# KiCad board KlokTHREEjr.kicad_pcb
title: KlokTHREEjr; date: 2018-01-08; rev: rev 1; company: www.wyolum.com; note: https://github.com/wyolum/KlokTHREEjr
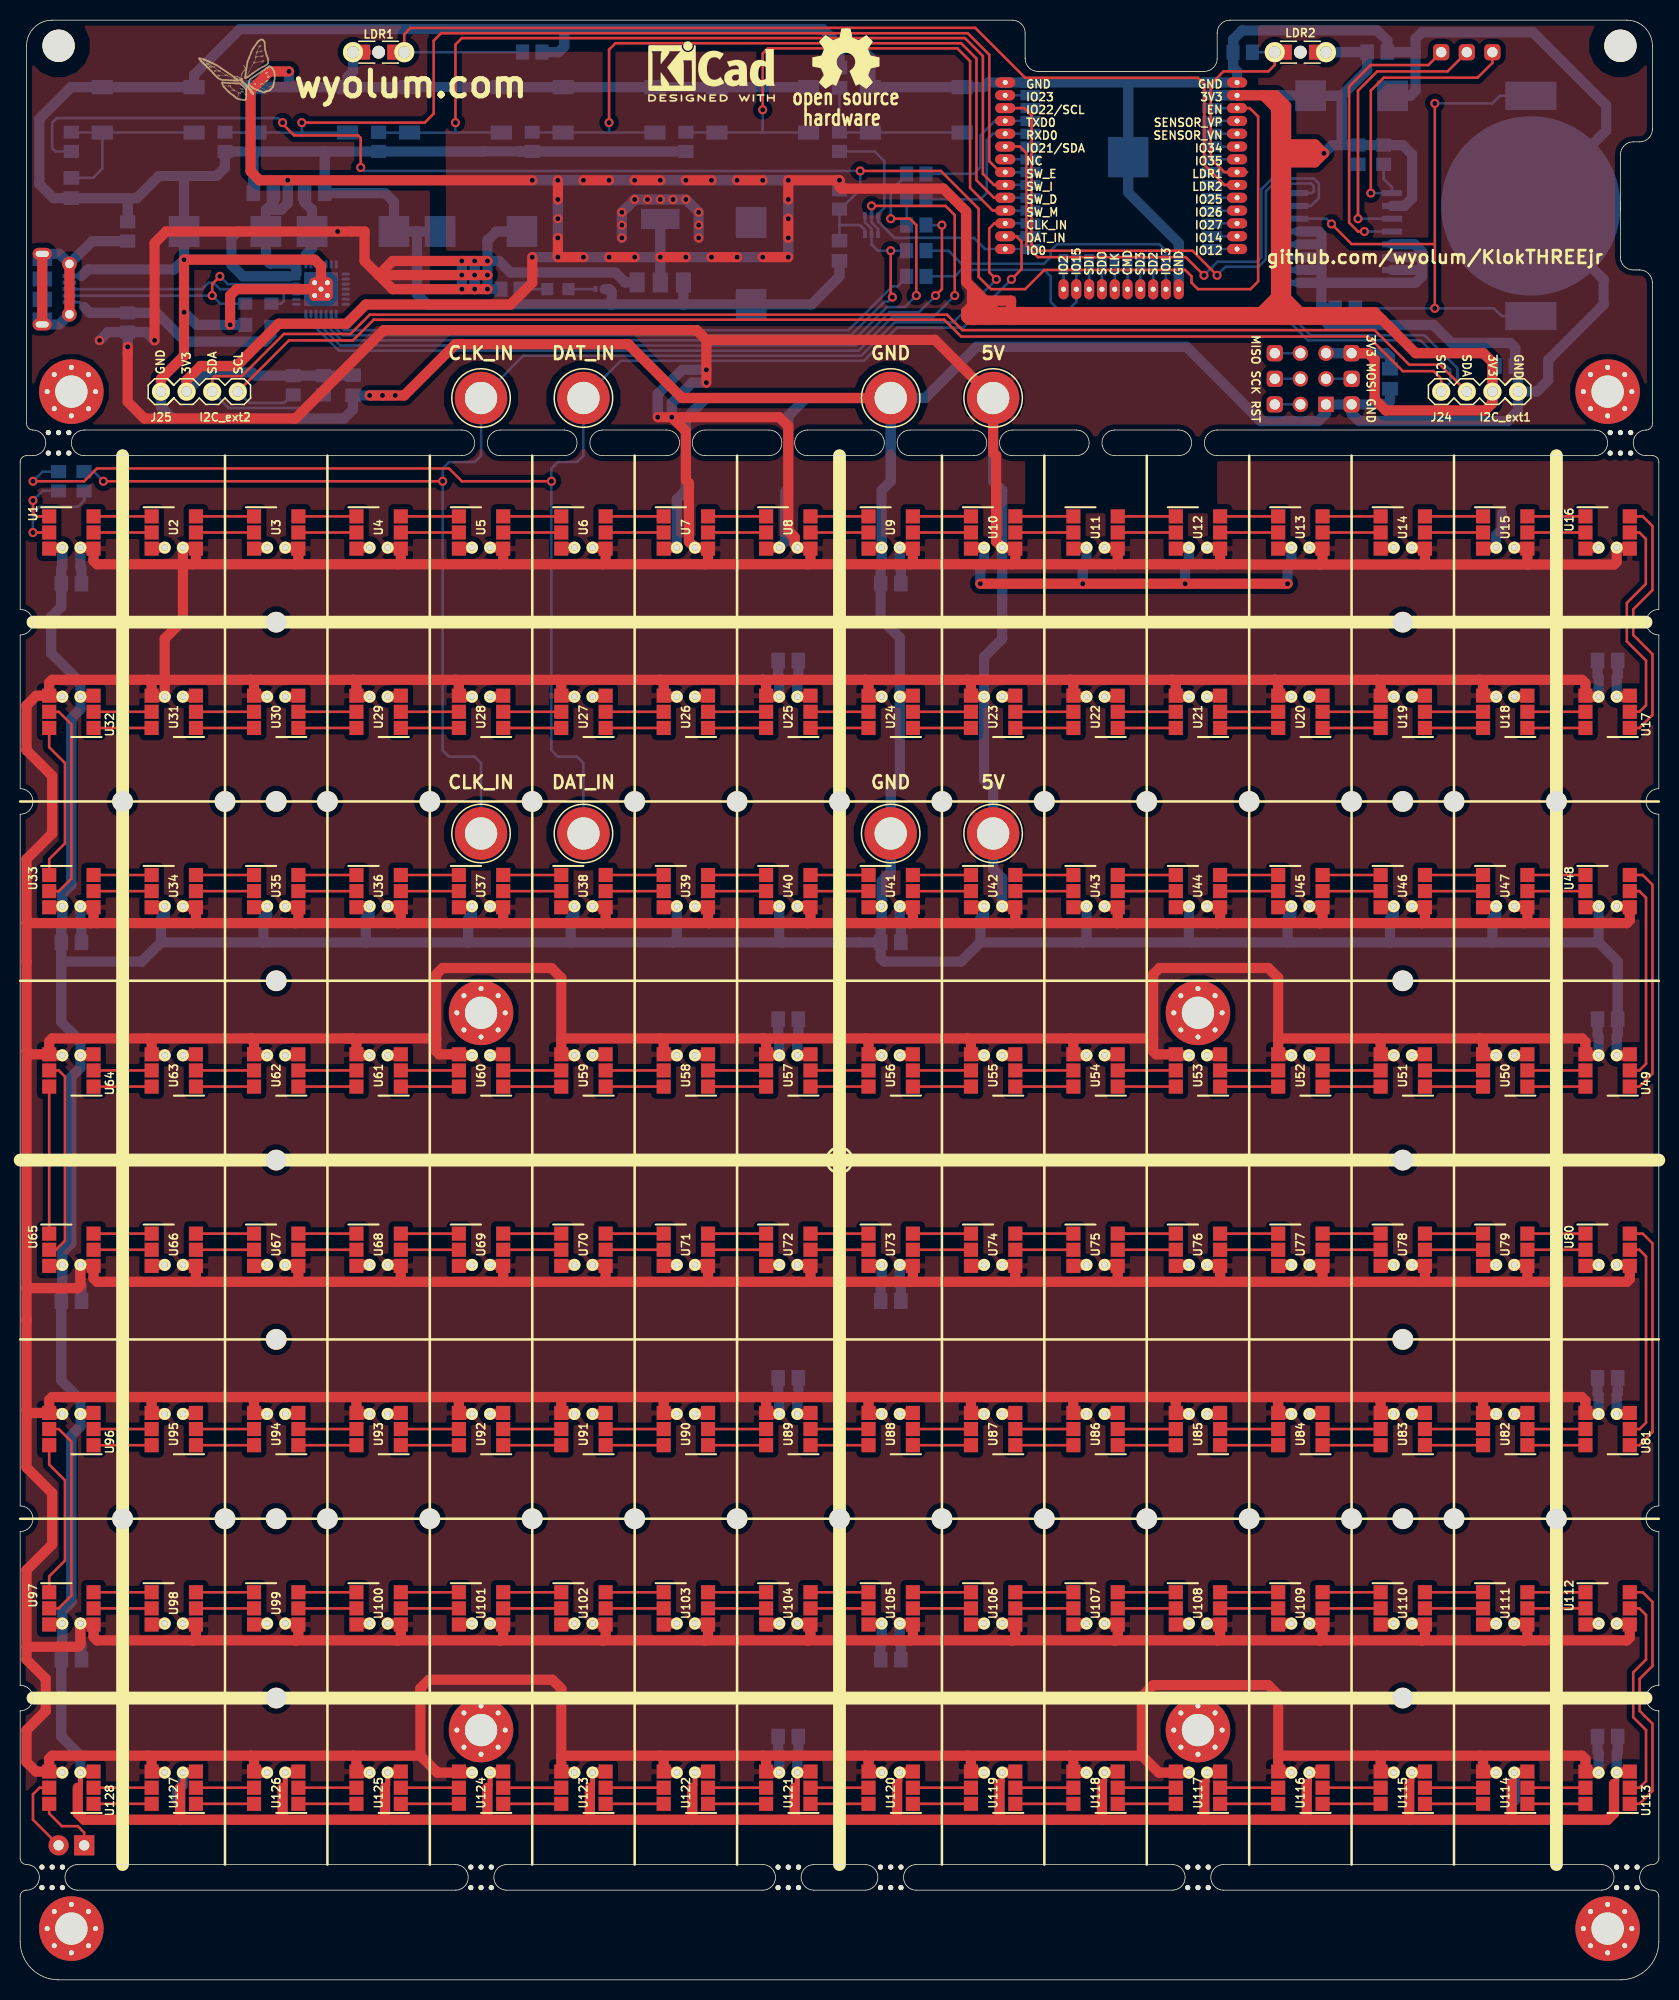
[diagram p0: board, top side]
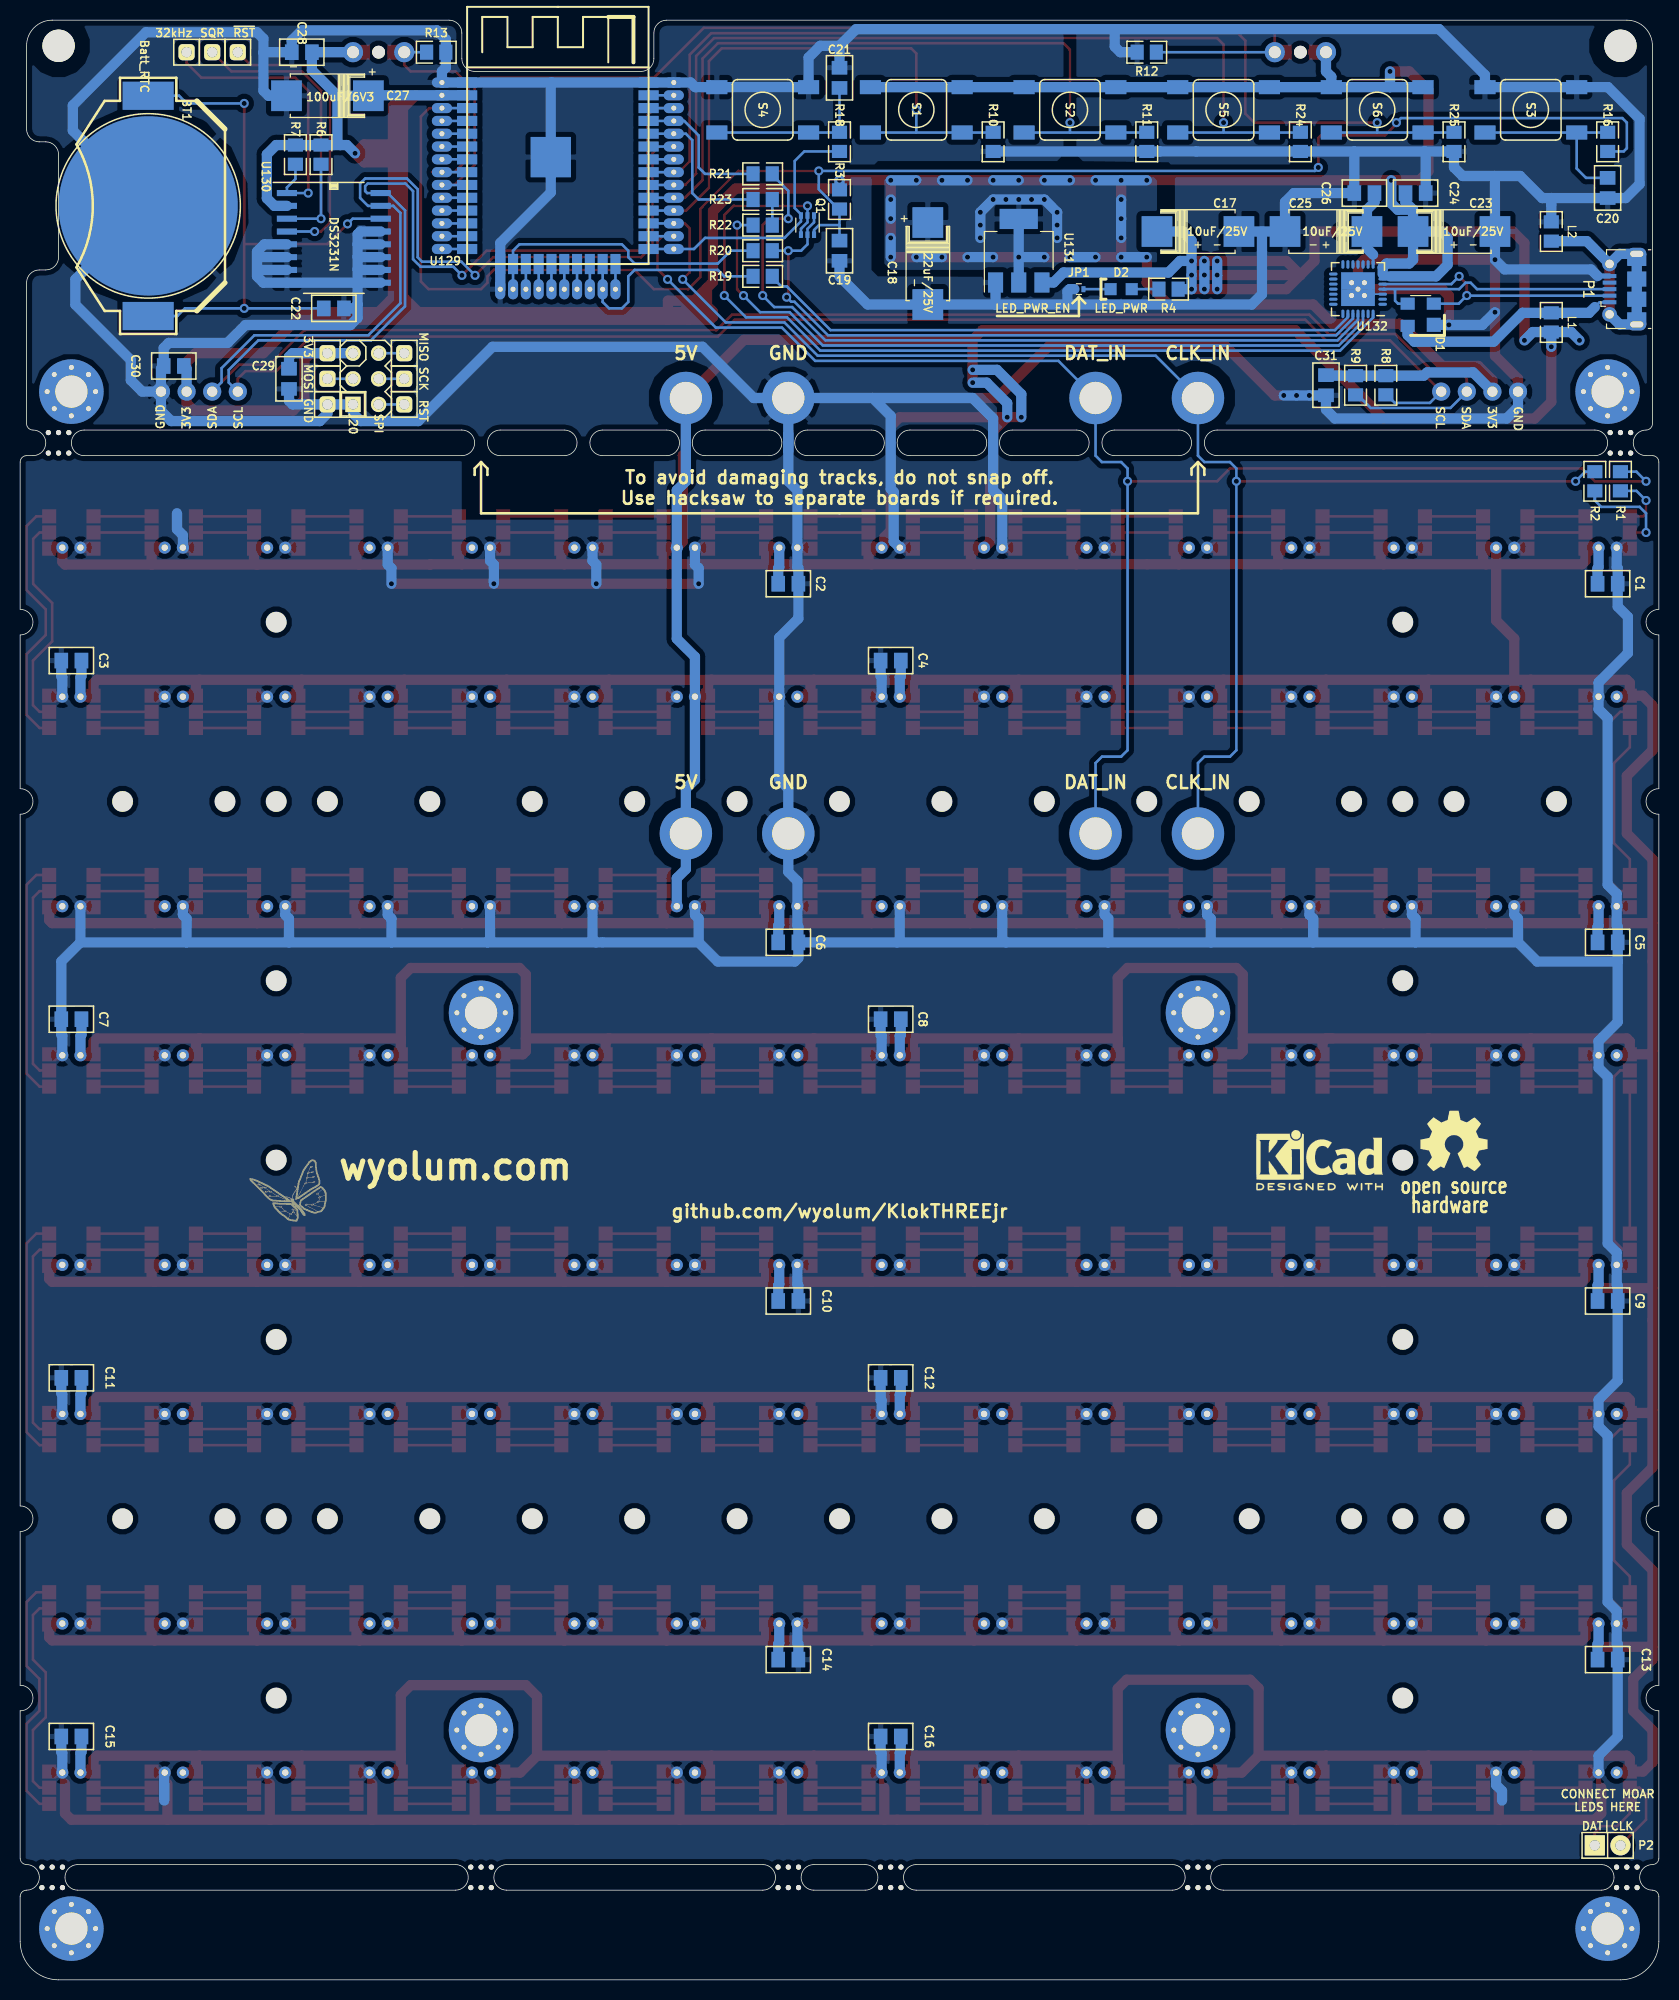
[diagram p1: board, bottom side, seen from below]

Outline 162.56 x 194.31 mm; copper layers: Top, Bottom. Coordinates in mm from the lower left corner of the outline.
Outline path: 0,150.5 arc(0.19,150.94) 0.63,151.13 1.27,151.13 arc(2.54,152.4) 1.27,153.67 arc(0.82,153.86) 0.63,154.31 0.63,191.77 arc(1.38,193.57) 3.18,194.31 98.43,194.31 arc(99.32,193.94) 99.7,193.04 99.7,190.5 arc(100.07,189.6) 100.97,189.23 117.47,189.23 arc(118.37,189.6) 118.75,190.5 118.75,193.04 arc(119.12,193.94) 120.02,194.31 159.39,194.31 arc(161.18,193.57) 161.93,191.77 161.93,183.52 arc(161.55,182.62) 160.66,182.25 160.02,182.25 arc(159.12,181.87) 158.75,180.98 158.75,170.81 arc(159.12,169.92) 160.02,169.55 160.66,169.55 arc(161.55,169.17) 161.93,168.28 161.93,154.31 arc(161.74,153.86) 161.29,153.67 arc(160.02,152.4) 161.29,151.13 161.93,151.13 arc(162.37,150.94) 162.56,150.5 162.56,135.89 arc(161.29,134.62) 162.56,133.35 162.56,118.11 arc(161.29,116.84) 162.56,115.57 162.56,46.99 arc(161.29,45.72) 162.56,44.45 162.56,29.21 arc(161.29,27.94) 162.56,26.67 162.56,12.07 arc(162.37,11.62) 161.93,11.43 arc(160.66,10.16) 161.93,8.89 arc(162.37,8.7) 162.56,8.26 162.56,3.81 arc(161.44,1.12) 158.75,0 3.81,0 arc(1.12,1.12) 0,3.81 0,8.26 arc(0.19,8.7) 0.63,8.89 arc(1.91,10.16) 0.63,11.43 arc(0.19,11.62) 0,12.07 0,26.67 arc(1.27,27.94) 0,29.21 0,44.45 arc(1.27,45.72) 0,46.99 0,115.57 arc(1.27,116.84) 0,118.11 0,133.35 arc(1.27,134.62) 0,135.89 0,150.5 ; 5.72,11.43 43.18,11.43 arc(44.45,10.16) 43.18,8.89 5.72,8.89 arc(4.45,10.16) 5.72,11.43 ; 6.35,153.67 43.82,153.67 arc(45.09,152.4) 43.82,151.13 6.35,151.13 arc(5.08,152.4) 6.35,153.67 ; 47.63,153.67 53.98,153.67 arc(55.24,152.4) 53.98,151.13 47.63,151.13 arc(46.35,152.4) 47.63,153.67 ; 48.26,11.43 73.66,11.43 arc(74.93,10.16) 73.66,8.89 48.26,8.89 arc(46.99,10.16) 48.26,11.43 ; 57.79,153.67 64.13,153.67 arc(65.41,152.4) 64.13,151.13 57.79,151.13 arc(56.52,152.4) 57.79,153.67 ; 67.94,153.67 74.29,153.67 arc(75.56,152.4) 74.29,151.13 67.94,151.13 arc(66.68,152.4) 67.94,153.67 ; 78.11,153.67 84.46,153.67 arc(85.72,152.4) 84.46,151.13 78.11,151.13 arc(76.84,152.4) 78.11,153.67 ; 78.74,11.43 83.82,11.43 arc(85.09,10.16) 83.82,8.89 78.74,8.89 arc(77.47,10.16) 78.74,11.43 ; 88.27,153.67 94.62,153.67 arc(95.89,152.4) 94.62,151.13 88.27,151.13 arc(87,152.4) 88.27,153.67 ; 88.9,11.43 114.3,11.43 arc(115.57,10.16) 114.3,8.89 88.9,8.89 arc(87.63,10.16) 88.9,11.43 ; 98.43,151.13 arc(97.16,152.4) 98.43,153.67 104.78,153.67 arc(106.05,152.4) 104.78,151.13 98.43,151.13 ; 108.59,153.67 114.94,153.67 arc(116.21,152.4) 114.94,151.13 108.59,151.13 arc(107.31,152.4) 108.59,153.67 ; 118.75,151.13 arc(117.47,152.4) 118.75,153.67 156.21,153.67 arc(157.48,152.4) 156.21,151.13 118.75,151.13 ; 119.38,8.89 arc(118.11,10.16) 119.38,11.43 156.84,11.43 arc(158.12,10.16) 156.84,8.89 119.38,8.89

## Placement (name value [footprint] x y rotation side)
BITE1  Mouse_Bite  [mouse-bite-2.54mm-slot_OSH]  3.81 152.4 0 top
BITE2  Mouse_Bite  [mouse-bite-2.54mm-slot_OSH]  158.75 152.4 0 top
BITE3  Mouse_Bite  [mouse-bite-2.54mm-slot_OSH]  3.18 10.16 0 top
BITE4  Mouse_Bite  [mouse-bite-2.54mm-slot_OSH]  45.72 10.16 0 top
BITE5  Mouse_Bite  [mouse-bite-2.54mm-slot_OSH]  76.2 10.16 0 top
BITE6  Mouse_Bite  [mouse-bite-2.54mm-slot_OSH]  86.36 10.16 0 top
BITE7  Mouse_Bite  [mouse-bite-2.54mm-slot_OSH]  116.84 10.16 0 top
BITE8  Mouse_Bite  [mouse-bite-2.54mm-slot_OSH]  159.39 10.16 0 top
BT1  Batt_RTC  [CR2032_SMD2]  149.86 175.9 90 bottom
C1  100nF  [c_0805]  5.08 138.43 270 bottom
C2  100nF  [c_0805]  86.36 138.43 270 bottom
C3  100nF  [c_0805]  157.48 130.81 90 bottom
C4  100nF  [c_0805]  76.2 130.81 90 bottom
C5  100nF  [c_0805]  5.08 102.87 270 bottom
C6  100nF  [c_0805]  86.36 102.87 270 bottom
C7  100nF  [c_0805]  157.48 95.25 90 bottom
C8  100nF  [c_0805]  76.2 95.25 90 bottom
C9  100nF  [c_0805]  5.08 67.31 270 bottom
C10  100nF  [c_0805]  86.36 67.31 270 bottom
C11  100nF  [c_0805]  157.48 59.69 90 bottom
C12  100nF  [c_0805]  76.2 59.69 90 bottom
C13  100nF  [c_0805]  5.08 31.75 270 bottom
C14  100nF  [c_0805]  86.36 31.75 270 bottom
C15  100nF  [c_0805]  157.48 24.13 90 bottom
C16  100nF  [c_0805]  76.2 24.13 90 bottom
C17  10uF/25V  [c_2917]  45.72 173.36 0 bottom
C18  22uF/25V  [c_2917]  72.52 170.18 90 bottom
C19  1nF  [c_0805]  81.28 171.45 180 bottom
C20  1nF  [c_0805]  5.08 177.67 180 bottom
C21  1nF  [c_0805]  81.28 188.6 0 bottom
C22  100nF  [c_0805]  131.45 165.74 90 bottom
C23  10uF/25V  [c_2917]  20.32 173.36 0 bottom
C24  100nF  [c_0805]  24.13 177.17 90 bottom
C25  10uF/25V  [c_2917]  33.02 173.36 180 bottom
C26  100nF  [c_0805]  29.21 177.17 270 bottom
C27  100uF/6V3  [c_2917]  132.08 186.82 180 bottom
C28  1uF/10V  [c_0805]  134.62 191.14 270 bottom
C29  100nF  [c_0805]  135.89 158.75 180 bottom
C30  100nF  [c_0805]  147.32 160.02 270 bottom
C31  100nF  [c_0805]  33.02 158.12 180 bottom
D1  RClamp0854P.TCT  [SOT-143]  23.62 165.1 90 bottom
D2  LED_PWR  [LED-0805]  53.34 167.64 0 bottom
G1  LOGO_WL  [Logo-WL3]  16.51 193.04 0 top
G2  KiCad  [KiCad-Logo2_6mm_SilkScreen]  68.58 189.23 0 top
G3  OSHW  [OSHW_6mm]  81.92 190.5 0 top
G7  LOGO_WL  [Logo-WL3]  140.97 81.92 180 bottom
G8  KiCad  [KiCad-Logo2_6mm_SilkScreen]  33.65 81.28 180 bottom
G9  OSHW  [OSHW_6mm]  20.32 83.19 180 bottom
HB1  hole_baffle  [hole_baffle_2mm]  10.16 116.84 0 top
HB2  hole_baffle  [hole_baffle_2mm]  20.32 116.84 0 top
HB3  hole_baffle  [hole_baffle_2mm]  30.48 116.84 0 top
HB4  hole_baffle  [hole_baffle_2mm]  40.64 116.84 0 top
HB5  hole_baffle  [hole_baffle_2mm]  50.8 116.84 0 top
HB6  hole_baffle  [hole_baffle_2mm]  60.96 116.84 0 top
HB7  hole_baffle  [hole_baffle_2mm]  71.12 116.84 0 top
HB8  hole_baffle  [hole_baffle_2mm]  81.28 116.84 0 top
HB9  hole_baffle  [hole_baffle_2mm]  91.44 116.84 0 top
HB10  hole_baffle  [hole_baffle_2mm]  101.6 116.84 0 top
HB11  hole_baffle  [hole_baffle_2mm]  111.76 116.84 0 top
HB12  hole_baffle  [hole_baffle_2mm]  121.92 116.84 0 top
HB13  hole_baffle  [hole_baffle_2mm]  132.08 116.84 0 top
HB14  hole_baffle  [hole_baffle_2mm]  142.24 116.84 0 top
HB15  hole_baffle  [hole_baffle_2mm]  152.4 116.84 0 top
HB16  hole_baffle  [hole_baffle_2mm]  10.16 45.72 0 top
HB17  hole_baffle  [hole_baffle_2mm]  20.32 45.72 0 top
HB18  hole_baffle  [hole_baffle_2mm]  30.48 45.72 0 top
HB19  hole_baffle  [hole_baffle_2mm]  40.64 45.72 0 top
HB20  hole_baffle  [hole_baffle_2mm]  50.8 45.72 0 top
HB21  hole_baffle  [hole_baffle_2mm]  60.96 45.72 0 top
HB22  hole_baffle  [hole_baffle_2mm]  71.12 45.72 0 top
HB23  hole_baffle  [hole_baffle_2mm]  81.28 45.72 0 top
HB24  hole_baffle  [hole_baffle_2mm]  91.44 45.72 0 top
HB25  hole_baffle  [hole_baffle_2mm]  101.6 45.72 0 top
HB26  hole_baffle  [hole_baffle_2mm]  111.76 45.72 0 top
HB27  hole_baffle  [hole_baffle_2mm]  121.92 45.72 0 top
HB28  hole_baffle  [hole_baffle_2mm]  132.08 45.72 0 top
HB29  hole_baffle  [hole_baffle_2mm]  142.24 45.72 0 top
HB30  hole_baffle  [hole_baffle_2mm]  152.4 45.72 0 top
HB31  hole_baffle  [hole_baffle_2mm]  25.4 134.62 0 top
HB32  hole_baffle  [hole_baffle_2mm]  25.4 116.84 0 top
HB33  hole_baffle  [hole_baffle_2mm]  25.4 99.06 0 top
HB34  hole_baffle  [hole_baffle_2mm]  25.4 81.28 0 top
HB35  hole_baffle  [hole_baffle_2mm]  25.4 63.5 0 top
HB36  hole_baffle  [hole_baffle_2mm]  25.4 45.72 0 top
HB37  hole_baffle  [hole_baffle_2mm]  25.4 27.94 0 top
HB38  hole_baffle  [hole_baffle_2mm]  137.16 134.62 0 top
HB39  hole_baffle  [hole_baffle_2mm]  137.16 116.84 0 top
HB40  hole_baffle  [hole_baffle_2mm]  137.16 99.06 0 top
HB41  hole_baffle  [hole_baffle_2mm]  137.16 81.28 0 top
HB42  hole_baffle  [hole_baffle_2mm]  137.16 63.5 0 top
HB43  hole_baffle  [hole_baffle_2mm]  137.16 45.72 0 top
HB44  hole_baffle  [hole_baffle_2mm]  137.16 27.94 0 top
HB45  mtg_hole_3mm_small  [MountingHole_3.2mm_M3]  3.81 191.77 0 top
HB46  mtg_hole_3mm_small  [MountingHole_3.2mm_M3]  158.75 191.77 0 top
HB47  mtg_hole_3mm  [MountingHole_3.2mm_M3_Pad_Via]  5.08 157.48 0 top
HB48  mtg_hole_3mm  [MountingHole_3.2mm_M3_Pad_Via]  157.48 157.48 0 top
HB49  mtg_hole_3mm  [MountingHole_3.2mm_M3_Pad_Via]  5.08 5.08 0 top
HB50  mtg_hole_3mm  [MountingHole_3.2mm_M3_Pad_Via]  157.48 5.08 0 top
HB51  mtg_hole_3mm  [MountingHole_3.2mm_M3_Pad_Via]  45.72 95.89 0 top
HB52  mtg_hole_3mm  [MountingHole_3.2mm_M3_Pad_Via]  116.84 95.89 0 top
HB53  mtg_hole_3mm  [MountingHole_3.2mm_M3_Pad_Via]  116.84 24.77 0 top
HB54  mtg_hole_3mm  [MountingHole_3.2mm_M3_Pad_Via]  45.72 24.77 0 top
J1  CLK_IN  [1pin]  45.72 156.85 0 top
J2  DAT_IN  [1pin]  55.88 156.85 0 top
J7  5V  [1pin]  96.52 156.85 0 top
J8  GND  [1pin]  86.36 156.85 0 top
J9  CLK_IN  [1pin]  45.72 113.67 0 top
J10  DAT_IN  [1pin]  55.88 113.67 0 top
J15  5V  [1pin]  96.52 113.67 0 top
J16  GND  [1pin]  86.36 113.67 0 top
J17  MISO  [BreakOutPad]  124.46 161.29 90 bottom
J18  3V3  [BreakOutPad]  132.08 161.29 90 bottom
J19  SCK  [BreakOutPad]  124.46 158.75 90 bottom
J20  SPI  [Header_ISP]  128.27 158.75 90 bottom
J21  MOSI  [BreakOutPad]  132.08 158.75 90 bottom
J22  RST  [BreakOutPad]  124.46 156.21 90 bottom
J23  GND  [BreakOutPad]  132.08 156.21 90 bottom
J24  I2C_ext1  [Header_4x1]  144.78 157.48 0 top
J25  I2C_ext2  [Header_4x1]  17.78 157.48 180 top
JP1  LED_PWR_EN  [R_0402]  57.53 167.64 180 bottom
L1  330E  [r_0805]  10.67 164.34 90 bottom
L2  330E  [r_0805]  10.67 173.36 270 bottom
LDR1  LDR  [r_0805_ldr_2]  35.56 191.14 180 top
LDR2  LDR  [r_0805_ldr_2]  127 191.14 0 top
P1  USB_micro  [USB_Micro-B_Molex-105017-0001]  2.54 167.64 90 bottom
P2  OUT_CLK_DAT  [Pin_Header_Straight_1x02]  5.08 13.34 180 bottom
Q1  DDC114TU  [SOT-363_SC-70-6]  84.46 173.99 270 bottom
R1  470R  [r_0805]  3.81 148.59 90 bottom
R2  470R  [r_0805]  6.35 148.59 90 bottom
R3  10k  [r_0805]  81.28 176.53 90 bottom
R4  1k  [r_0805]  48.64 167.64 180 bottom
R6  10k  [r_0805]  132.72 180.98 90 bottom
R7  10k  [r_0805]  135.25 180.98 90 bottom
R8  4K7  [r_0805]  27.09 158.11 90 bottom
R9  4K7  [r_0805]  30.09 158.11 90 bottom
R10  10k  [r_0805]  66.04 182.25 90 bottom
R11  10k  [r_0805]  50.8 182.25 90 bottom
R12  10k  [r_0805]  50.8 191.14 180 bottom
R13  10k  [r_0805]  121.28 191.14 0 bottom
R16  470R  [r_0805]  5.08 182.25 270 bottom
R18  470R  [r_0805]  81.28 182.25 270 bottom
R19  0R NC  [r_0805]  88.9 168.91 0 bottom
R20  0R NC  [r_0805]  88.9 171.45 0 bottom
R21  0R  [r_0805]  88.9 179.07 0 bottom
R22  470R  [r_0805]  88.9 173.99 180 bottom
R23  0R  [r_0805]  88.9 176.53 0 bottom
R24  10k  [r_0805]  35.56 182.25 90 bottom
R25  10k  [r_0805]  20.32 182.25 90 bottom
S1  SW-ENTER  [SW_SMD]  73.66 185.42 270 bottom
S2  SW-INC  [SW_SMD]  58.42 185.42 270 bottom
S3  SW-EN  [SW_SMD]  12.7 185.42 90 bottom
S4  SW-BOOT  [SW_SMD]  88.9 185.42 90 bottom
S5  SW-DEC  [SW_SMD]  43.18 185.42 270 bottom
S6  SW-MODE  [SW_SMD]  27.94 185.42 270 bottom
TP1  ~{RST}  [BreakOutPad]  140.97 191.14 0 bottom
TP2  SQR  [BreakOutPad]  143.51 191.14 0 bottom
TP3  32kHz  [BreakOutPad]  146.05 191.14 0 bottom
U1  -  [APA102]  5.08 143.51 270 top
U2  -  [APA102]  15.24 143.51 270 top
U3  -  [APA102]  25.4 143.51 270 top
U4  -  [APA102]  35.56 143.51 270 top
U5  -  [APA102]  45.72 143.51 270 top
U6  -  [APA102]  55.88 143.51 270 top
U7  -  [APA102]  66.04 143.51 270 top
U8  -  [APA102]  76.2 143.51 270 top
U9  -  [APA102]  86.36 143.51 270 top
U10  -  [APA102]  96.52 143.51 270 top
U11  -  [APA102]  106.68 143.51 270 top
U12  -  [APA102]  116.84 143.51 270 top